# Altium PCB frames_right.PcbDoc
Units mm, origin at the board's own origin, x right, y up, seen from the top; angles counter-clockwise.
Board outline 60 x 25.15 mm, 4 copper layers (Top Layer, L2, L3, Bottom Layer), stack 0.603 mm thick; 43 components, 49 nets, 225 pads, 260 vias.
Unrouted connection lines stored in the file: 3.
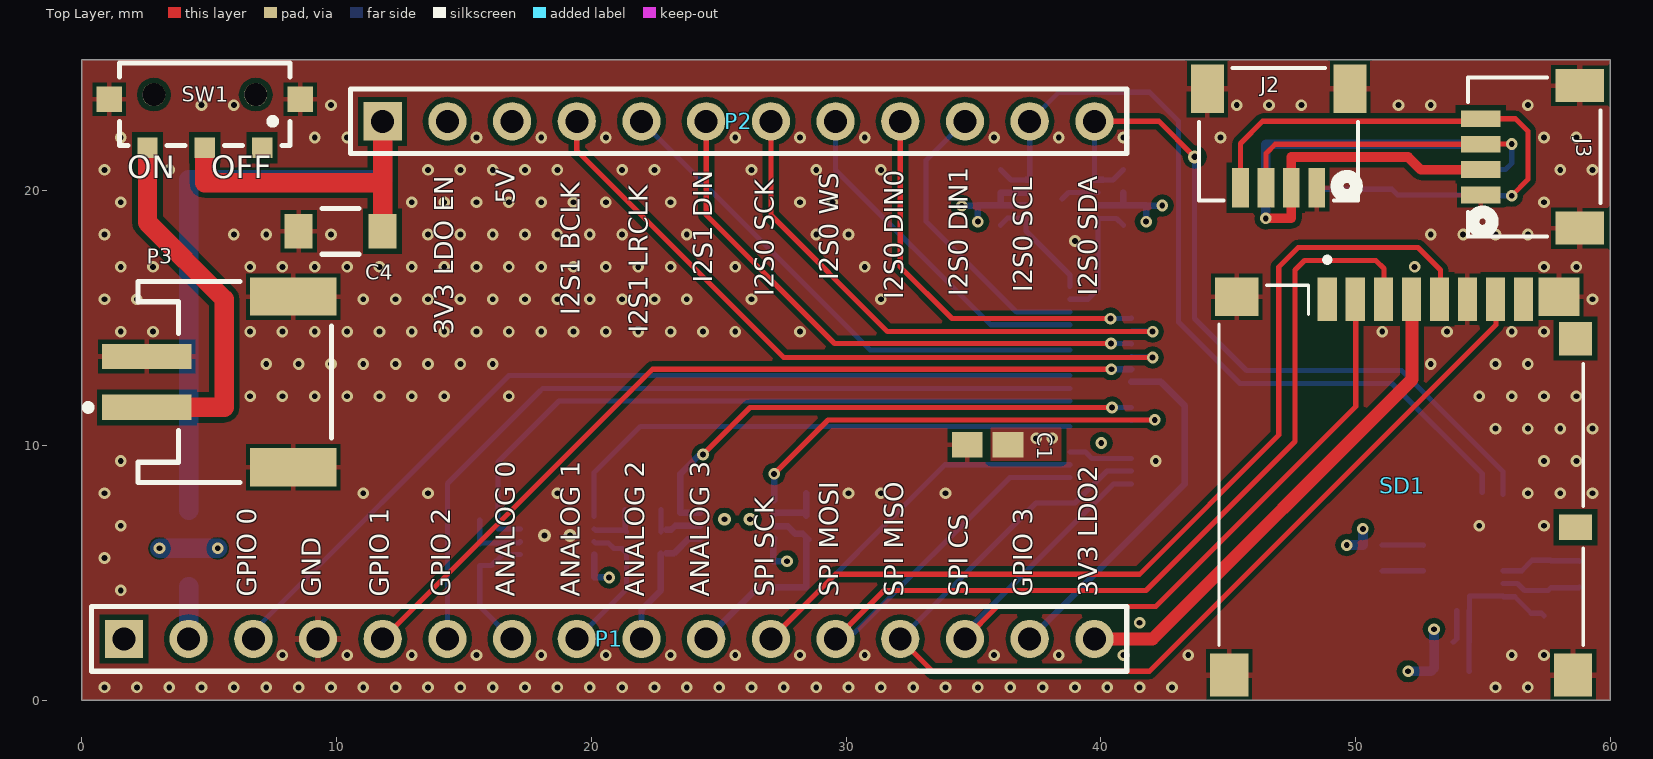
[diagram p0: Top Layer view]
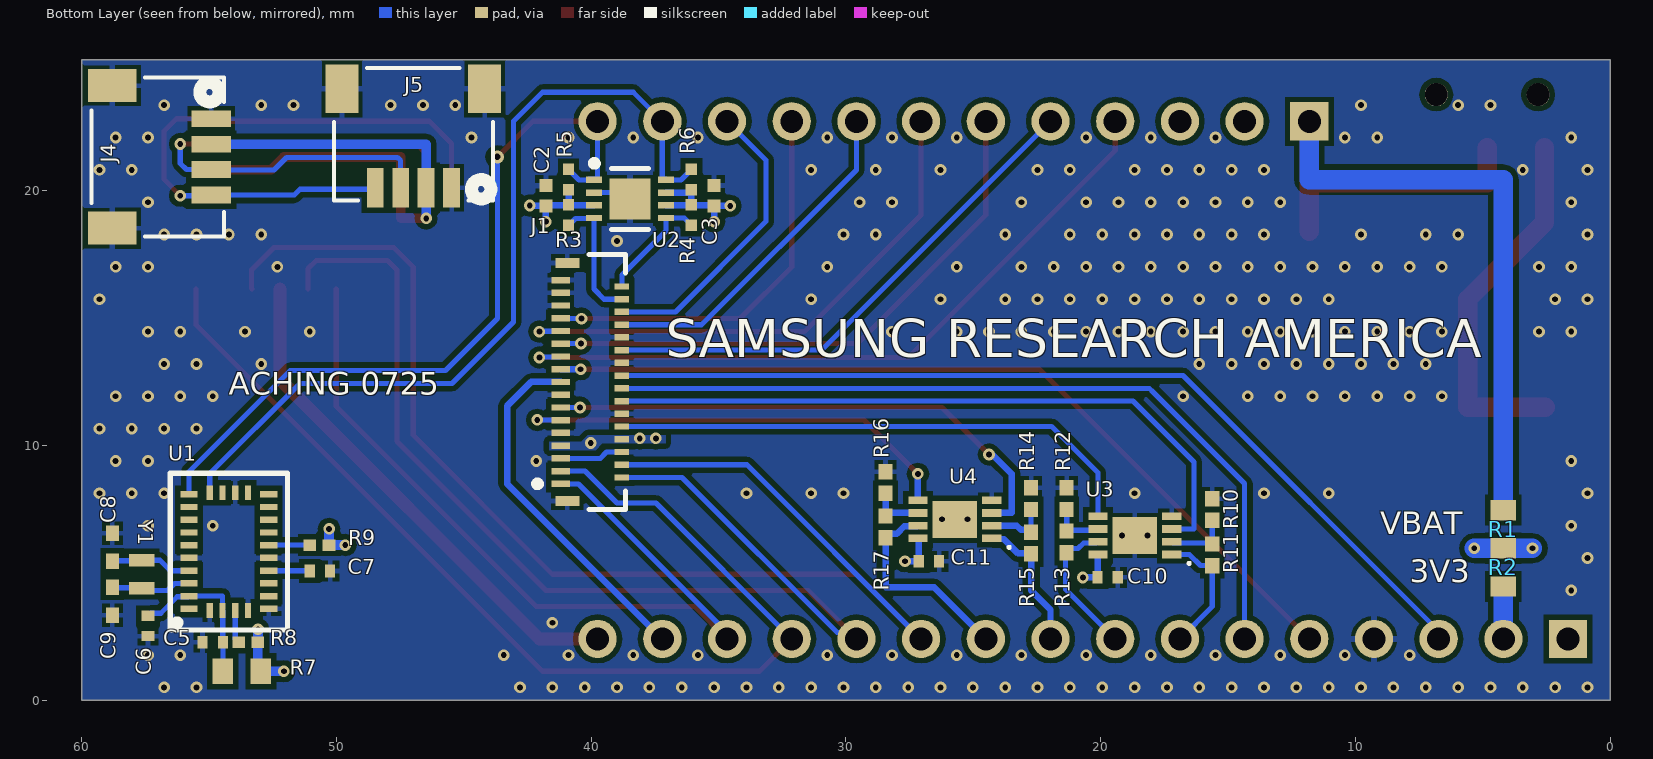
[diagram p1: Bottom Layer view, seen from below]
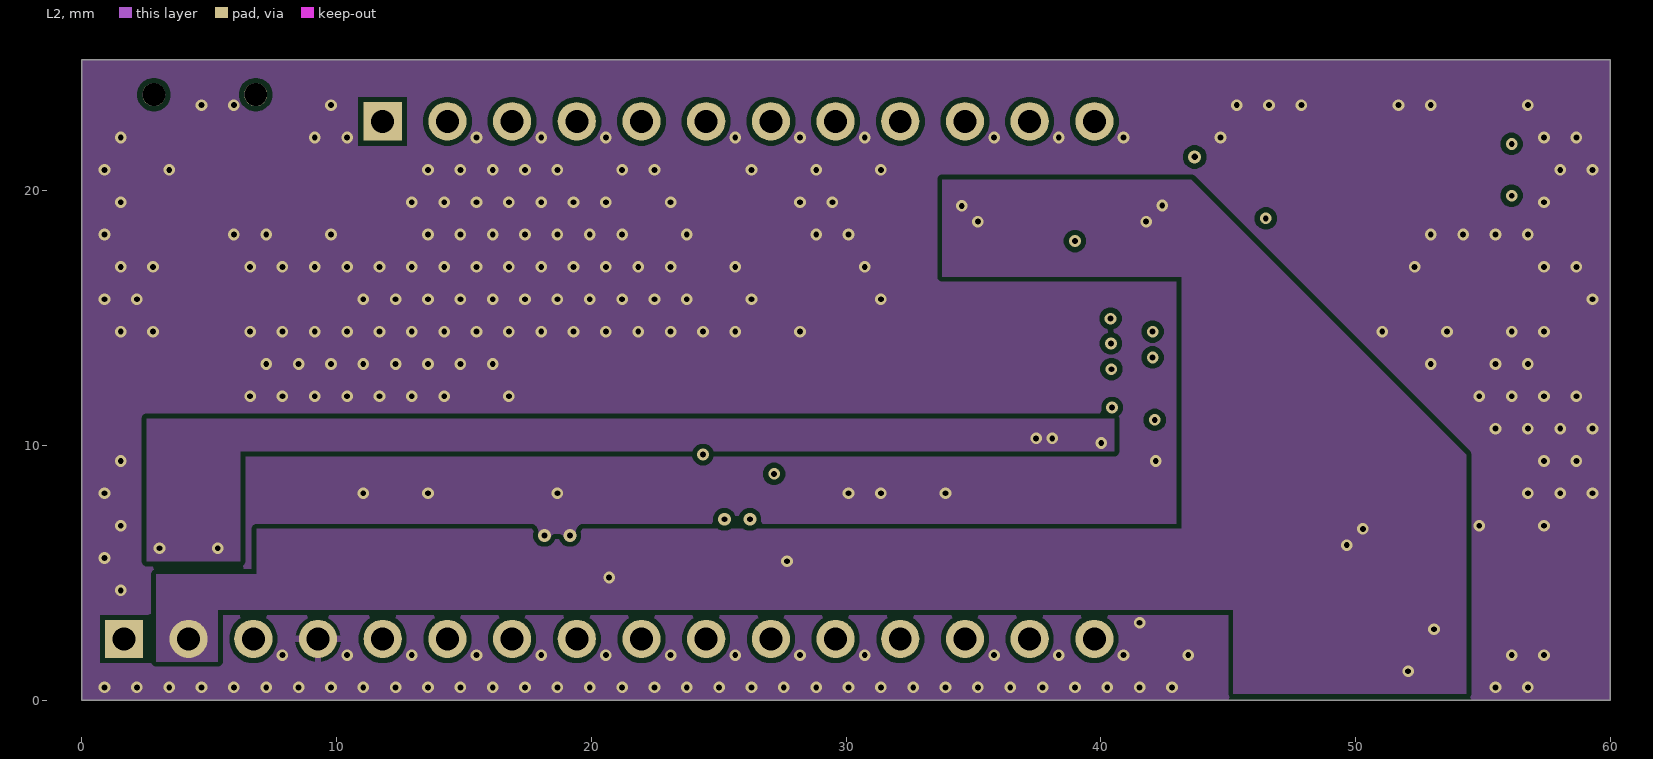
[diagram p2: L2]
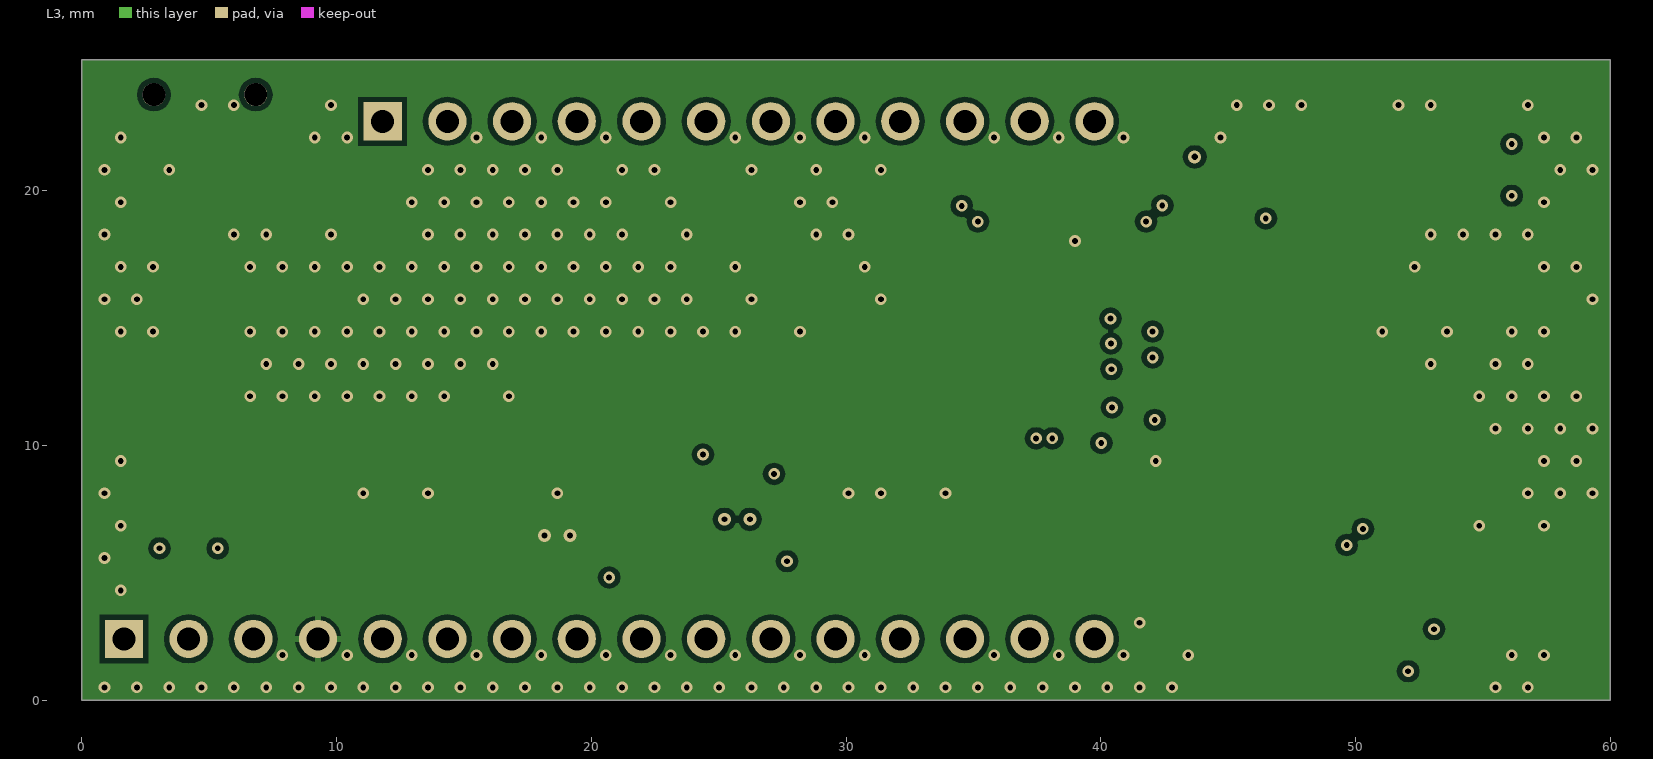
[diagram p3: L3]
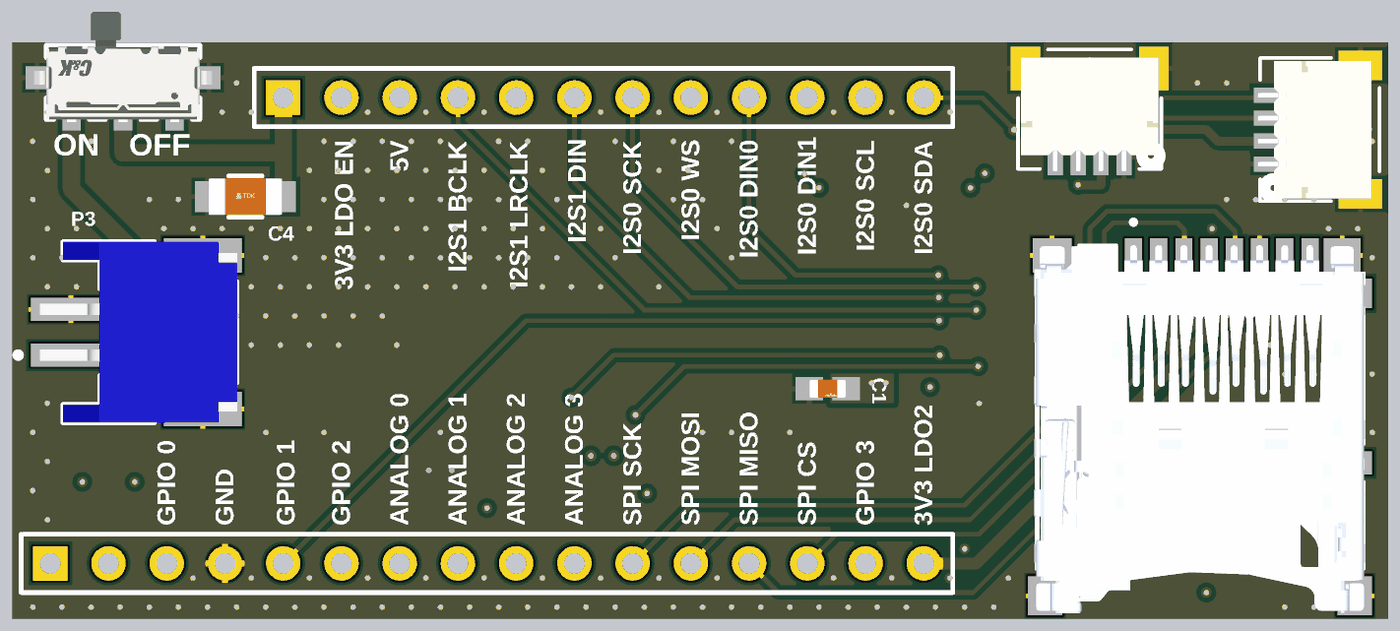
[diagram p4: 3D render of the assembled board from above, using the file's embedded part models]

## Layer stack, top to bottom
Top Solder: solder mask 0.0102, Solder Resist, Dk 3.5
Top Layer: signal copper 0.0356
Dielectric 2: prepreg 0.0711, PP-006, Dk 4.1
L2: signal copper 0.035
Dielectric 1: dielectric 0.32, FR-4, Dk 4.8
L3: signal copper 0.035
Dielectric 3: prepreg 0.0711, PP-006, Dk 4.1
Bottom Layer: signal copper 0.0356
Bottom Solder: solder mask 0.0102, Solder Resist, Dk 3.5

## Board outline
0,0 60,0 60,25.146 0,25.146

## Design rules (kind name [scope] priority, off if disabled: settings)
Clearance Clearance_Polygon [InPolygon] p1: gap=0.203 ignorepadtopadclearanceinfootprint=FALSE
Clearance [All] p2: gap=0.102 ignorepadtopadclearanceinfootprint=FALSE
HoleSize [All] p1: absolutevalues=TRUE maxlimit=2.54 minlimit=0.203 maxpercent=80.000 minpercent=20.000
PolygonConnect PolygonConnect_GND [InNet('GND')] p1: thpad.connectstyle=Relief thpad.reliefconductorwidth=0.254 thpad.reliefentries=4 thpad.polygonreliefangle="90 Angle" thpad.airgapwidth=0.152 smdpad.connectstyle=Relief smdpad.reliefconductorwidth=0.203 smdpad.reliefentries=4 smdpad.polygonreliefangle="90 Angle" smdpad.airgapwidth=0.152 via.connectstyle=Direct via.reliefconductorwidth=0.254 via.reliefentries=4 via.polygonreliefangle="90 Angle" via.airgapwidth=0.254
PolygonConnect [All] p2: connectstyle=Direct reliefconductorwidth=0.254 reliefentries=4 polygonreliefangle="90 Angle" airgapwidth=0.254
RoutingVias [All] p1: holewidth=0.229 width=0.457 viastyle="Through Hole" minholewidth=0.229 minwidth=0.457 maxholewidth=0.711 maxwidth=1.27
SilkToSilkClearance [All] p1: silktosilkclearance=0
SolderMaskExpansion [All] p1: expansion=0.102 istentingtop=FALSE
Width [All] p1: maxlimit=2.54 minlimit=0.102 preferedwidth=0.203
28 further rules are at their usual default settings.

## Classes and differential pairs
component class peripherals: C5 C6 C7 C8 C9 C10 C11 R7 R8 R9 R10 R11 R12 R13 R14 R15 R16 R17 SD1 U1 U3 U4 Y1
component class power: C1 C4 P3 R1 R2 SW1
component class microcontroller: P1 P2
component class connectors: C2 C3 J1 J2 J3 J4 J5 R3 R4 R5 R6 U2

## Components (designator, comment, footprint, x,y, rotation, side; value= is the part's Value field where it differs from the comment)
C1 "GRM188R60J106ME47D" FP-GRM188-0_1-e0_2_0_55-IPC_A 35.56,10.033 r0 top
C2 "C0402C104K8PACTU" FP-C0402-BB-MFG 41.783,19.812 r270 bottom value=100nF
C3 "C0402C104K8PACTU" FP-C0402-BB-MFG 35.179,19.812 r270 bottom value=100nF
C4 "C3216X5R1E476M160AC" FP-C3216-160-0_2-MFG 10.16,18.415 r0 top
C5 "GRM155R71C104KA88D" FP-GRM15-MFG 54.864,2.286 r180 bottom value=0.10μF
C6 "GRM155R71C104KA88D" FP-GRM15-MFG 57.404,2.921 r270 bottom value=0.10μF
C7 "GRM155R71C104KA88D" FP-GRM15-MFG 50.654,5.08 r0 bottom value=0.10μF
C8 "04025A220JAT2A" FP-0402-L_1_0_1-W_0_5_0_1-MFG 58.801,6.011 r270 bottom
C9 "04025A220JAT2A" FP-0402-L_1_0_1-W_0_5_0_1-MFG 58.801,3.895 r90 bottom
C10 "GRM155R71C104KA88D" FP-GRM15-MFG 19.73,4.83 r0 bottom value=0.10μF
C11 "GRM155R71C104KA88D" FP-GRM15-MFG 26.744,5.457 r0 bottom value=0.10μF
J1 "502078-3310" MOLX-502078-3310 40,12.5 r270 bottom locked
J2 "SM04B-SRSS-TB" CONN_SM04B-SRSS-TB_JST 46.984,22.226 r0 top
J3 "SM04B-SRSS-TB" CONN_SM04B-SRSS-TB_JST 57.023,21.336 r270 top
J4 "SM04B-SRSS-TB" CONN_SM04B-SRSS-TB_JST 57.023,21.336 r90 bottom
J5 "SM04B-SRSS-TB" CONN_SM04B-SRSS-TB_JST 46.984,22.226 r180 bottom
P1 "PPPC161LFBN-RC" HDR1X16 1.651,2.413 r0 top locked
P2 "PPPC121LFBN-RC" HDR1X12 11.811,22.733 r0 top locked
P3 "S2B-PH-SM4-TB(LF)(SN)" "JST- S2B-PH-SM4-TB(LF)(SN)-2_V" 6,12.5 r90 top locked
R1 "RC0603JR-070RL" RESC1608X55X25ML10T15 4.191,6.719 r270 bottom
R2 "RC0603JR-070RL" RESC1608X55X25ML10T15 4.191,5.219 r90 bottom
R3 "ERJ-2RKF1401X" RESC1005X40X25LL05T05 40.894,19.05 r270 bottom value=1.4k
R4 "ERJ-2RKF1401X" RESC1005X40X25LL05T05 36.068,19.05 r270 bottom value=1.4k
R5 "ERJ-2RKF1401X" RESC1005X40X25LL05T05 40.894,20.447 r90 bottom value=1.4k
R6 "ERJ-2RKF1401X" RESC1005X40X25LL05T05 36.068,20.447 r90 bottom value=1.4k
R7 "RC0603JR-070RL" RESC1608X55X25ML10T15 53.721,1.143 r0 bottom
R8 "RC0402FR-0710KL" RESC1005X40X25LL05T10 53.467,2.286 r180 bottom value=10k
R9 "RC0402FR-0710KL" RESC1005X40X25LL05T10 50.673,6.096 r0 bottom value=10k
R10 "RC0402JR-130RL" RESC1005X40X25NL05T10 15.621,7.493 r90 bottom value=NP
R11 "RC0402JR-130RL" RESC1005X40X25NL05T10 15.621,5.715 r270 bottom value=0R
R12 "RC0402JR-130RL" RESC1005X40X25NL05T10 21.336,7.918 r90 bottom value=NP
R13 "RC0402JR-130RL" RESC1005X40X25NL05T10 21.336,6.223 r270 bottom value=0R
R14 "RC0402JR-130RL" RESC1005X40X25NL05T10 22.733,7.918 r90 bottom value=NP
R15 "RC0402JR-130RL" RESC1005X40X25NL05T10 22.733,6.179 r270 bottom value=0R
R16 "RC0402JR-130RL" RESC1005X40X25NL05T10 28.448,8.553 r90 bottom value=NP
R17 "RC0402JR-130RL" RESC1005X40X25NL05T10 28.448,6.814 r270 bottom value=0R
SD1 "MSD-7-A" CUI_MSD-7-A 51.795,8.298 r0 top
SW1 "JS102000SAQN" FP-JS102000SAQN-MFG 4.826,24.13 r180 top locked
U1 "BNO085" FP-BNO085-MFG 54.229,5.842 r0 bottom
U2 "PCA9617ATP" FP-SOT1069-2-MFG 38.481,19.685 r180 bottom
U3 "MCP6002T-E/MC" DFN-MC8#1 18.661,6.477 r0 bottom
U4 "MCP6002T-E/MC" DFN-MC8#2 25.728,7.108 r0 bottom
Y1 "ABS05W-32.768KHZ-K-2-T" FP-ABS05W-MFG 57.658,4.953 r270 bottom

## Footprints (in the part's own frame and the unit in brackets; to place one, negate y for a bottom-side part, rotate by r counter-clockwise, add the part's x,y. Pads: shape width x height; smd on the part's side, far side on the other; paste and mask are expansions set on the pad)
CONN_SM04B-SRSS-TB_JST [mil]
  rect 26x61 smd paste+0 mask+0: 1(59.06,-82.62) 2(19.69,-82.62) 3(-19.68,-82.62) 4(-59.06,-82.62)
  rect 51x75 smd paste-37.5 mask-37.5: 5(-110.24,69.94) 6(110.24,69.94)
  silkscreen extent -123,-102 123,102, body extent -118,-107 118,88, height 118
CUI_MSD-7-A [mm]
  rect 0.75x1.7 smd: 1(-2.9,7.45) 2(-1.8,7.45) 3(-0.7,7.45) 4(0.4,7.45) 5(1.5,7.45) 6(2.6,7.45) 7(3.7,7.45) 8(4.8,7.45)
  rect 1.7x1.5 smd: G1(-6.45,7.55)
  rect 1.5x1.7 smd: G2(-6.75,-7.3) G3(6.75,-7.3)
  rect 1.6x1.5 smd: G4(6.2,7.55)
  rect 1.3x1.3 smd: SW_A1(6.85,5.9)
  rect 1.3x1 smd: SW_A2(6.85,-1.5)
  silkscreen extent -7.15,-6.13 7.15,9.1, body extent -7.22,-8.05 7.22,8, height 1.8
DFN-MC8#1 [mm] "SON, 8-Leads, Body 2x3mm, Pitch 0.5mm, Microchip Recommended"
  rect 0.75x0.3 smd: 1(-1.45,0.75) 2(-1.45,0.25) 3(-1.45,-0.25) 4(-1.45,-0.75) 5(1.45,-0.75) 6(1.45,-0.25) 7(1.45,0.25) 8(1.45,0.75)
  rect 1.75x1.45 smd: 9(0,0)
  silkscreen extent -2.18,1.05 -2.08,1.15, body extent -1.55,-1.05 1.55,1.05, height 1
DFN-MC8#2 [mm] "SON, 8-Leads, Body 2x3mm, Pitch 0.5mm, Microchip Recommended"
  rect 0.75x0.3 smd: 1(-1.45,0.75) 2(-1.45,0.25) 3(-1.45,-0.25) 4(-1.45,-0.75) 5(1.45,-0.75) 6(1.45,-0.25) 7(1.45,0.25) 8(1.45,0.75)
  rect 1.75x1.45 smd: ""(0,0)
  silkscreen extent -2.18,1.05 -2.08,1.15, body extent -1.55,-1.05 1.55,1.05, height 1
FP-0402-L_1_0_1-W_0_5_0_1-MFG [mm]
  rect 0.6x0.5 smd paste+0 mask+0: 1(-0.55,0) 2(0.55,0)
  body extent -0.5,-0.25 0.5,0.25, height 0.56
FP-ABS05W-MFG [mm]
  rect 0.5x1 smd paste+0 mask+0: 1(-0.55,0) 2(0.55,0)
  body extent -0.8,-0.5 0.8,0.5, height 0.5
FP-BNO085-MFG [mm]
  rect 0.675x0.25 smd paste+0 mask+0: 1(1.562,2.25) 6(-1.562,2.25) 7(-1.562,1.75) 8(-1.562,1.25) 9(-1.562,0.75) 10(-1.562,0.25) 11(-1.562,-0.25) 12(-1.562,-0.75) 13(-1.562,-1.25) 14(-1.562,-1.75) 15(-1.562,-2.25) 20(1.562,-2.25) 21(1.562,-1.75) 22(1.562,-1.25) 23(1.562,-0.75) 24(1.562,-0.25) 25(1.562,0.25) 26(1.562,0.75) 27(1.562,1.25) 28(1.562,1.75)
  rect 0.25x0.575 smd paste+0 mask+0: 2(0.75,2.312) 3(0.25,2.312) 4(-0.25,2.312) 5(-0.75,2.312) 16(-0.75,-2.312) 17(-0.25,-2.312) 18(0.25,-2.312) 19(0.75,-2.312)
  silkscreen extent -2.3,-3.08 2.3,3.08, body extent -1.9,-2.6 1.9,2.6, height 1.18
FP-C0402-BB-MFG [mm]
  rect 0.52x0.52 smd paste+0 mask+0: 1(-0.4,0) 2(0.4,0)
  body extent -0.5,-0.25 0.5,0.25, height 0.55
FP-C3216-160-0_2-MFG [mm]
  rect 1.1x1.35 smd paste+0 mask+0: 1(-1.65,0) 2(1.65,0)
  silkscreen extent -0.72,-0.9 0.72,0.9, body extent -2.3,-1 2.3,1, height 0.25
FP-GRM15-MFG [mm]
  rect 0.4x0.5 smd paste+0 mask+0: 1(-0.4,0) 2(0.4,0)
  body extent -0.3,-0.16 0.3,0.16, height 0.33
FP-GRM188-0_1-e0_2_0_55-IPC_A [mm]
  rect 1.208x1.012 smd paste+0 mask+0: 1(-0.802,0) 2(0.802,0)
  body extent -0.8,-0.4 0.8,0.4, height 0.9
FP-JS102000SAQN-MFG [mm]
  rect 0.8x0.8 smd paste+0 mask+0: 1(-2.25,2.43) 2(0,2.43) 3(2.25,2.43)
  rect 1x1 smd paste+0 mask+0: 4(-3.75,0.53) 5(3.75,0.53)
  round 0.9 hole 0.9 unplated paste-1000 mask+0: ""(-2,0.35) ""(2,0.35)
  silkscreen extent -3.35,-0.89 3.35,2.35, body extent -4.35,-2.45 4.35,2.93, height 0.25
FP-SOT1069-2-MFG [mm]
  rect 0.625x0.25 smd paste+0 mask+0: 1(-1.412,0.75) 2(-1.412,0.25) 3(-1.412,-0.25) 4(-1.412,-0.75) 5(1.412,-0.75) 6(1.412,-0.25) 7(1.412,0.25) 8(1.412,0.75)
  rect 1.6x1.6 smd paste-1000 mask+0: 9(0,0)
  silkscreen extent -1.52,-1.2 0.72,1.52, body extent -1.5,-1 1.5,1, height 0.8
HDR1X12 [mm] "Connector; Header; 12 Position"
  rect 1.5x1.5 hole 0.9: 1(0,0)
  round 1.5 hole 0.9: 2(2.54,0) 3(5.08,0) 4(7.62,0) 5(10.16,0) 6(12.7,0) 7(15.24,0) 8(17.78,0) 9(20.32,0) 10(22.86,0) 11(25.4,0) 12(27.94,0)
  silkscreen extent -1.27,-1.27 29.21,1.27
HDR1X16 [mm] "Connector; Header; 16 Position"
  rect 1.5x1.5 hole 0.9: 1(0,0)
  round 1.5 hole 0.9: 2(2.54,0) 3(5.08,0) 4(7.62,0) 5(10.16,0) 6(12.7,0) 7(15.24,0) 8(17.78,0) 9(20.32,0) 10(22.86,0) 11(25.4,0) 12(27.94,0) 13(30.48,0) 14(33.02,0) 15(35.56,0) 16(38.1,0)
  silkscreen extent -1.27,-1.27 39.37,1.27
"JST- S2B-PH-SM4-TB(LF)(SN)-2_V" [mm] "SMD, 2-Leads, Body 7.9x7.6mm, Pitch 2mm"
  rect 1x3.5 smd: 1(-1,3.45) 2(1,3.45)
  rect 1.5x3.4 smd: MP1(-3.35,-2.3) MP2(3.35,-2.3)
  silkscreen extent -3.95,-3.8 3.95,5.87, body extent -3.95,-3.8 3.95,4.8, height 5.6
MOLX-502078-3310 [mm] "FPC Connector, 33-Leads, Right Angle, Pitch 0.25 mm, Mated Height 1.0 mm, SMT"
  rect 0.25x0.72 smd: 1(4,-1.202) 3(3.5,-1.202) 5(3,-1.202) 7(2.5,-1.202) 9(2,-1.202) 11(1.5,-1.202) 13(1,-1.202) 15(0.5,-1.202) 17(0,-1.202) 19(-0.5,-1.202) 21(-1,-1.202) 23(-1.5,-1.202) 25(-2,-1.202) 27(-2.5,-1.202) 29(-3,-1.202) 31(-3.5,-1.202) 33(-4,-1.202)
  rect 0.25x0.57 smd: 2(3.75,1.202) 4(3.25,1.202) 6(2.75,1.202) 8(2.25,1.202) 10(1.75,1.202) 12(1.25,1.202) 14(0.75,1.202) 16(0.25,1.202) 18(-0.25,1.202) 20(-0.75,1.202) 22(-1.25,1.202) 24(-1.75,1.202) 26(-2.25,1.202) 28(-2.75,1.202) 30(-3.25,1.202) 32(-3.75,1.202)
  rect 0.4x0.95 smd: MP1(4.67,-0.937) MP2(-4.67,-0.937)
  silkscreen extent -5,-2.24 5,1.34, body extent -5,-1.41 5,1.34, height 1.01
RESC1005X40X25LL05T05 [mm] "Chip Resistor, 2-Leads, Body 1.00x0.50mm, IPC High Density"
  rect 0.45x0.45 smd: 1(-0.4,0) 2(0.4,0)
  body extent -0.53,-0.27 0.53,0.28, height 0.4
RESC1005X40X25LL05T10 [mm] "Chip Resistor, 2-Leads, Body 1.00x0.50mm, IPC High Density"
  rect 0.5x0.45 smd: 1(-0.375,0) 2(0.375,0)
  body extent -0.53,-0.27 0.53,0.28, height 0.4
RESC1005X40X25NL05T10 [mm] "Chip Resistor, 2-Leads, Body 1.00x0.50mm, IPC Medium Density"
  rect 0.6x0.55 smd: 1(-0.425,0) 2(0.425,0)
  body extent -0.53,-0.27 0.53,0.28, height 0.4
RESC1608X55X25ML10T15 [mm] "Chip Resistor, 2-Leads, Body 1.60x0.80mm, IPC Low Density"
  rect 0.8x1 smd: 1(-0.75,0) 2(0.75,0)
  body extent -0.85,-0.45 0.85,0.45, height 0.55
